# Altium PCB Brake Module PCB.PcbDoc (part 1 of 2)
Units mm, origin at the board's own origin, x right, y up, seen from the top; angles counter-clockwise.
Board outline 88.4 x 110.16 mm, 4 copper layers (Top Layer, Int1 (GND), Int2 (PWR), Bottom Layer), stack 1.369 mm thick; 148 components, 99 nets, 528 pads, 189 vias.
Unrouted connection lines stored in the file: 3.
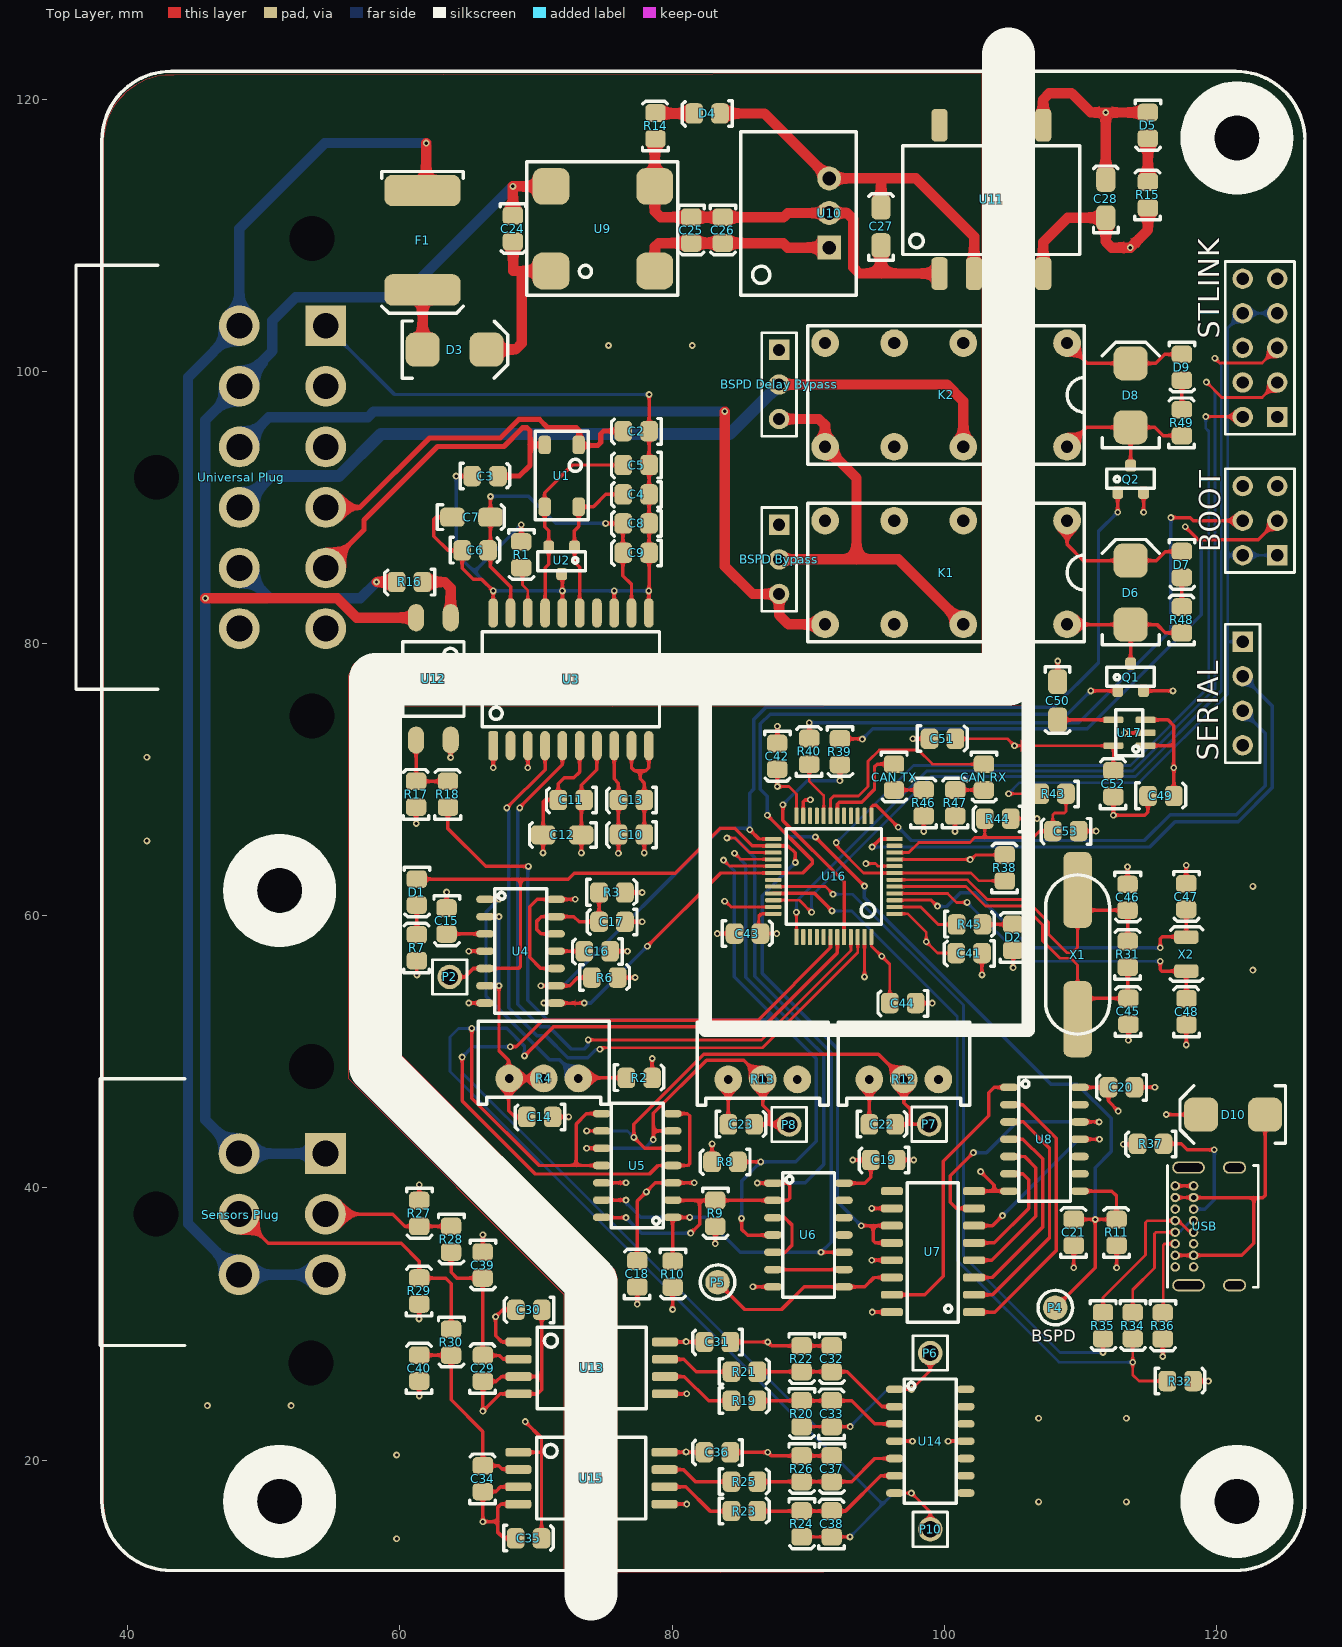
[diagram p0: Top Layer view]
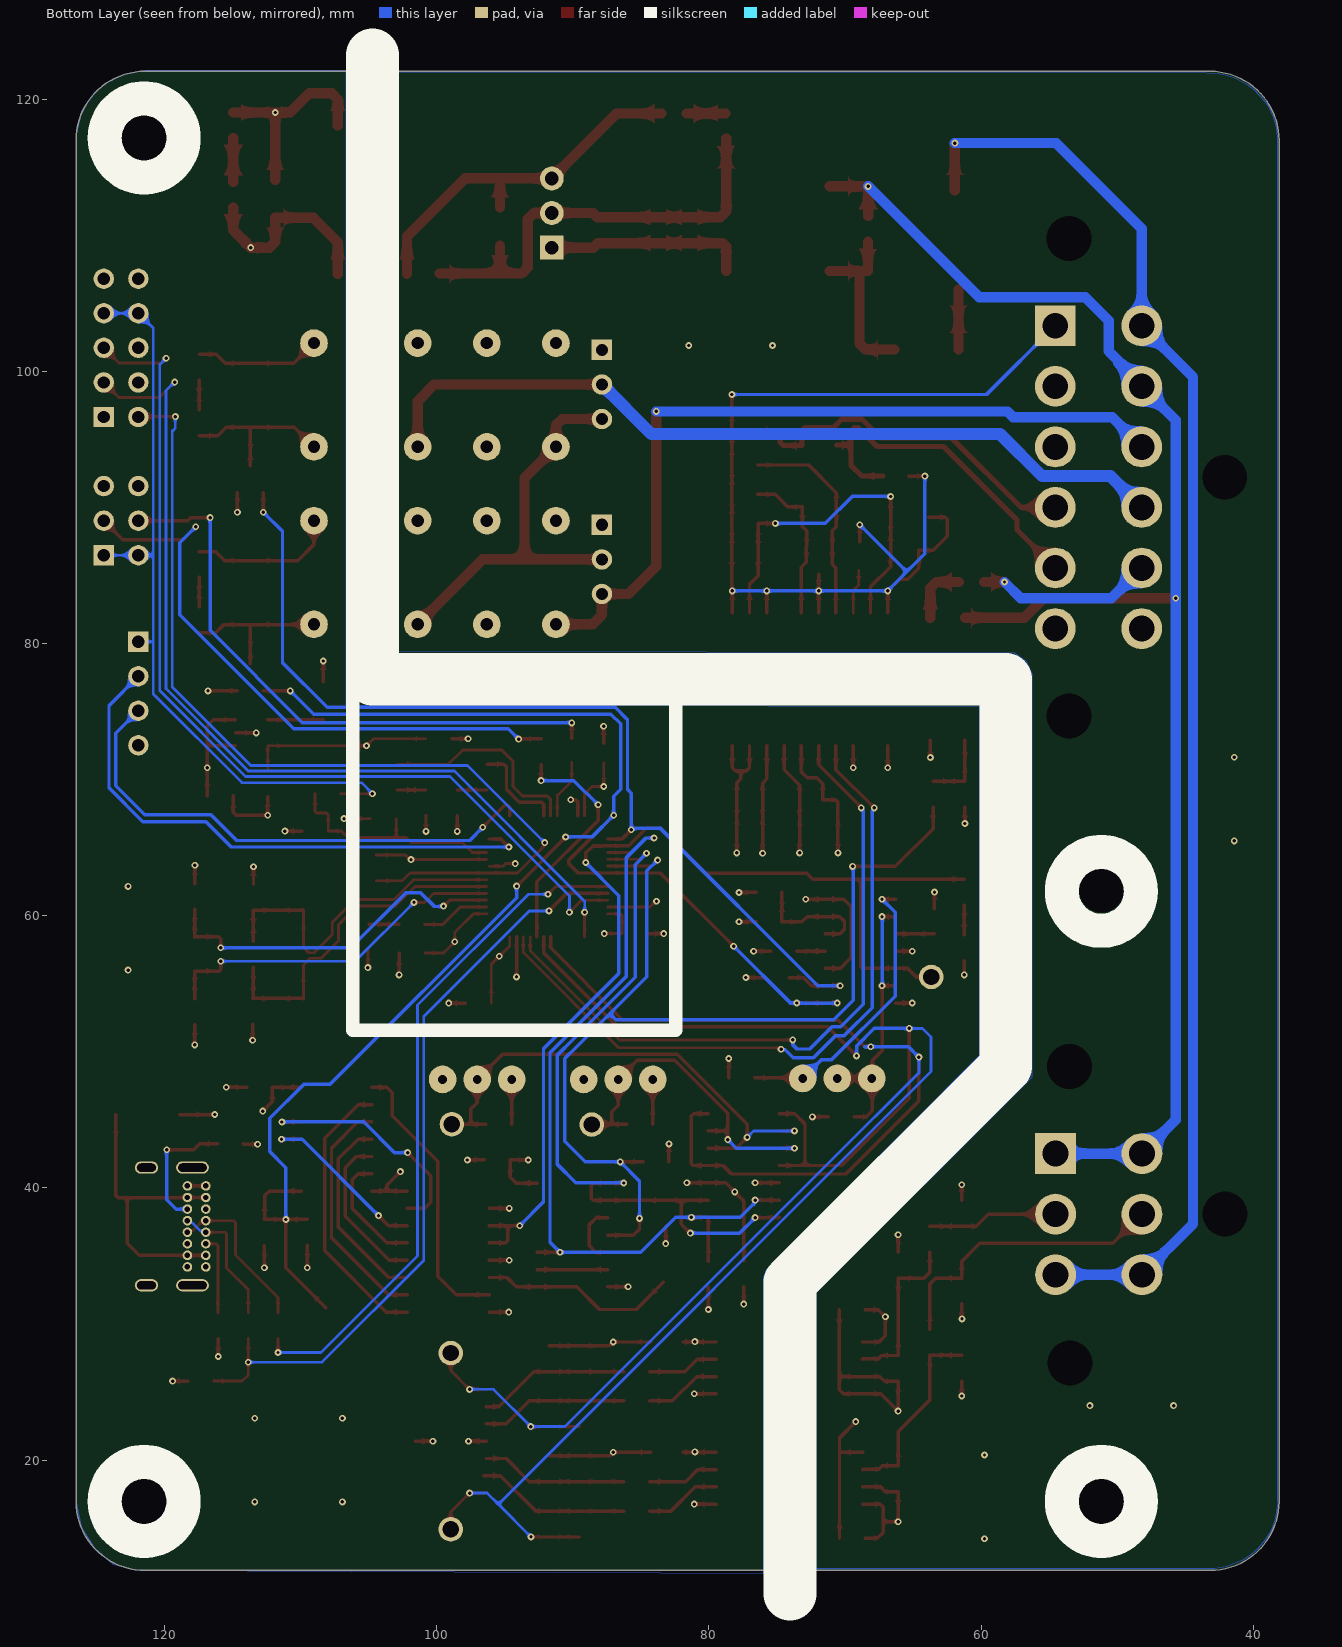
[diagram p1: Bottom Layer view, seen from below]
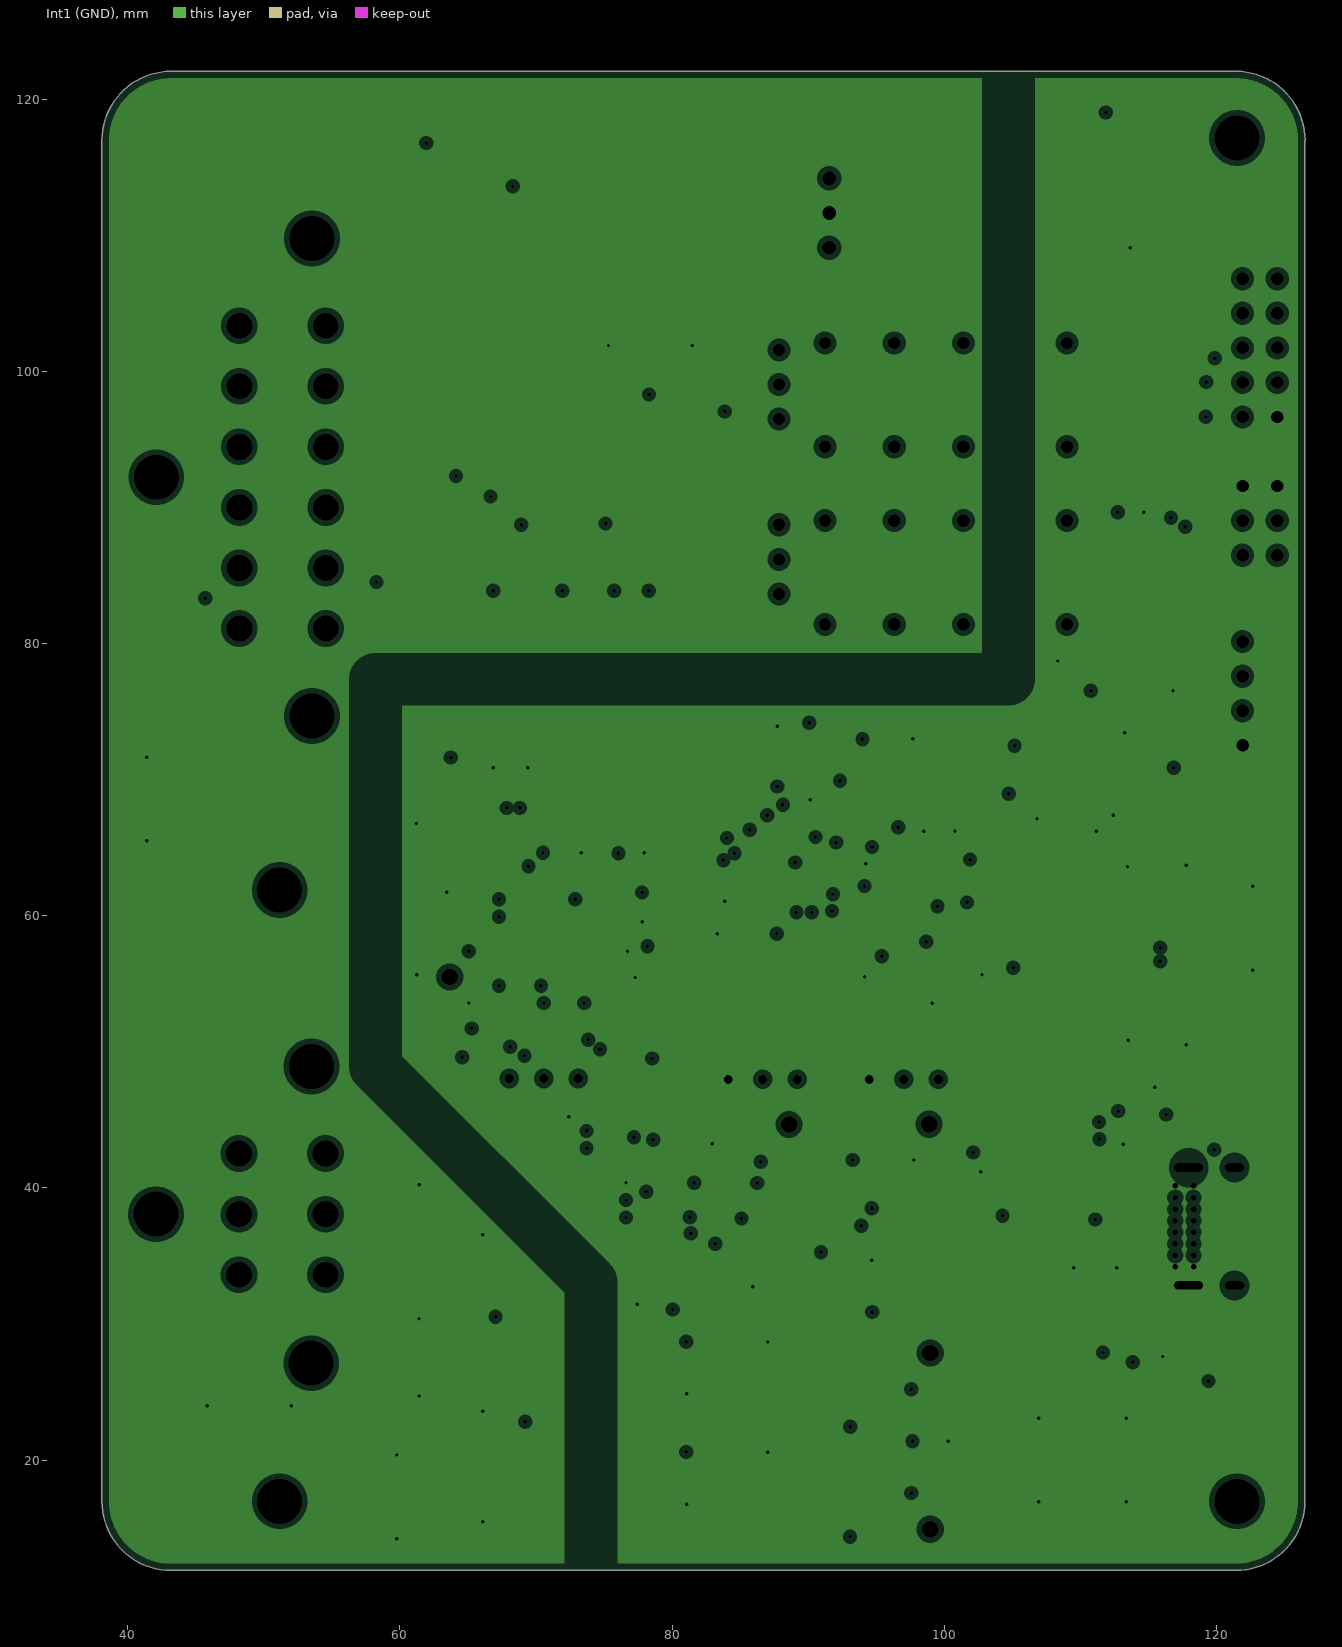
[diagram p2: Int1 (GND), clearances drawn from the general rule]
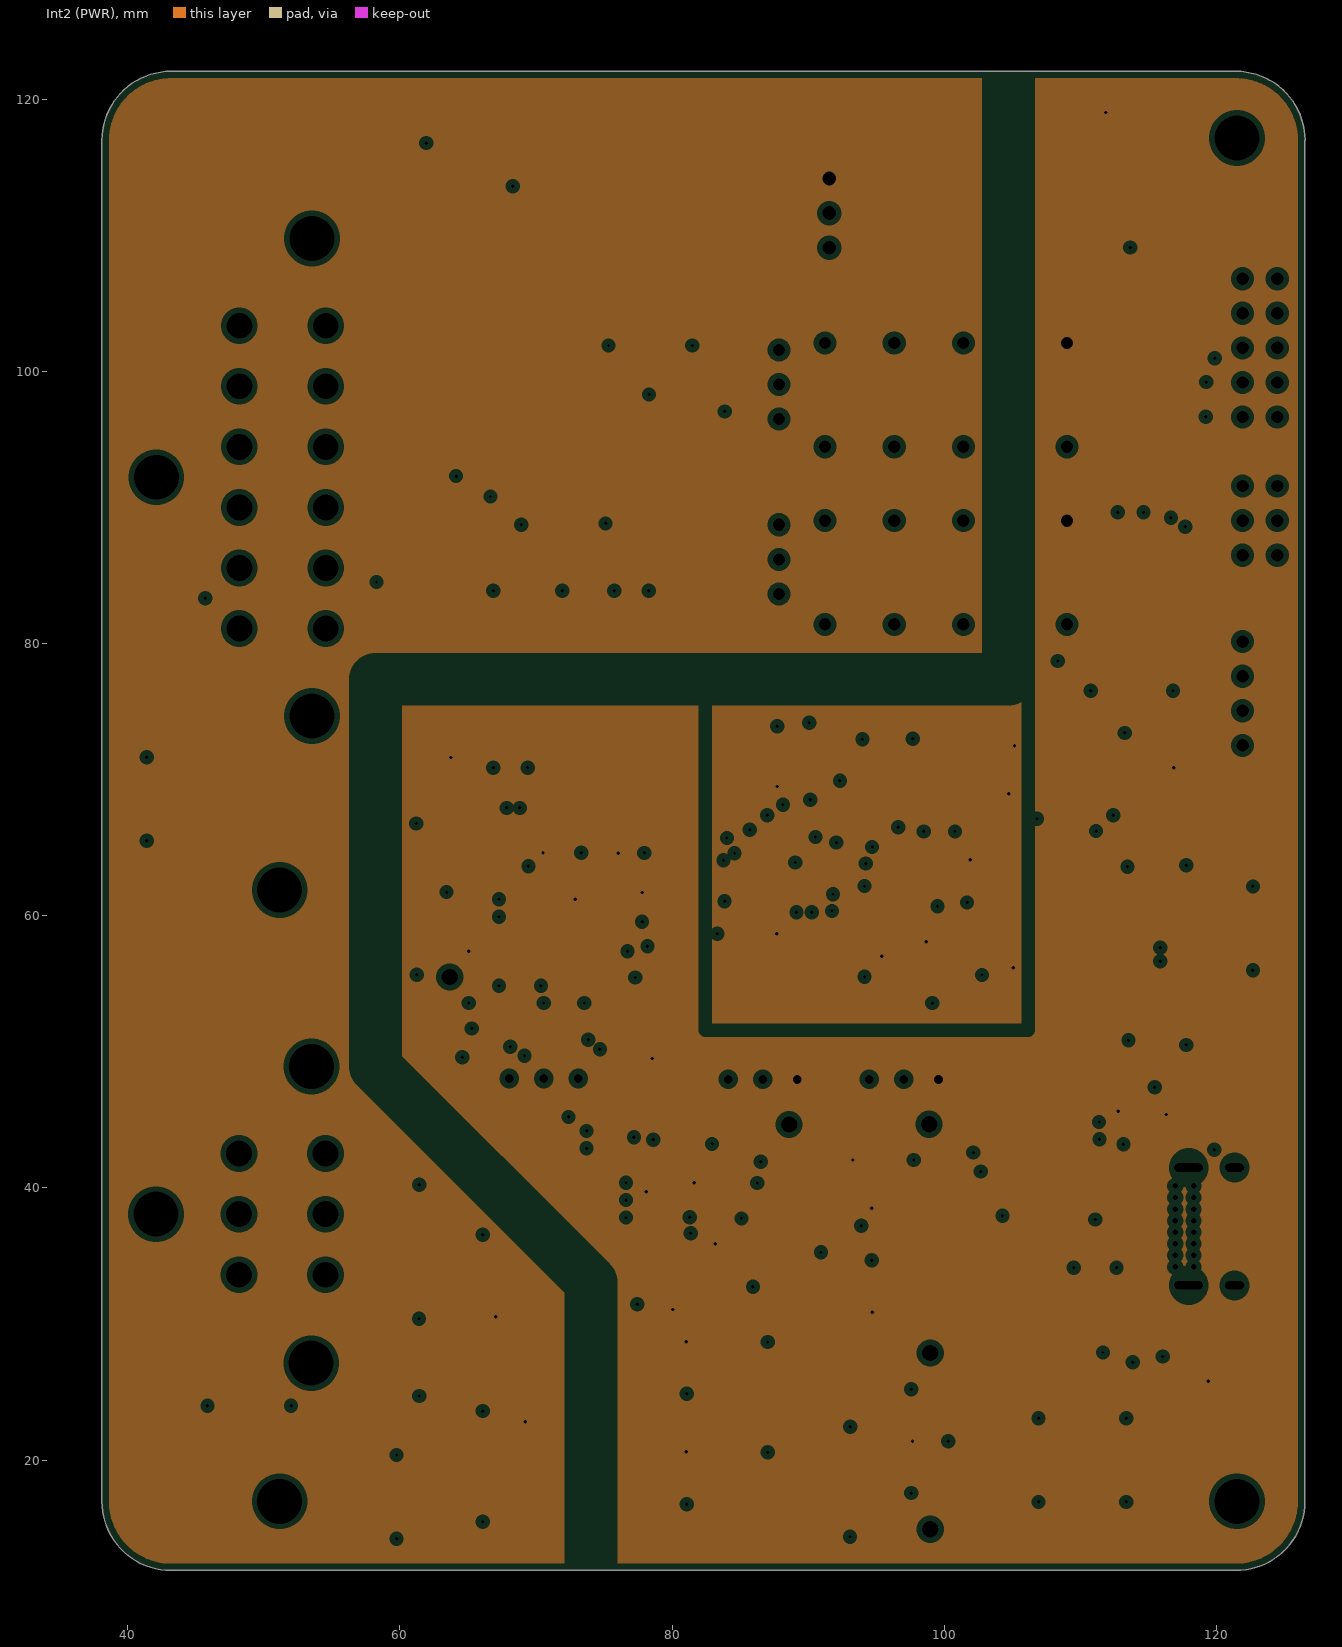
[diagram p3: Int2 (PWR), clearances drawn from the general rule]

## Layer stack, top to bottom
Top Solder: solder mask 0.0254, SM-001, Dk 4
Top Layer: signal copper 0.035
Dielectric 1: prepreg 0.1295, PP-017, Dk 4.3
Dielectric 2: prepreg 0.1295, PP-017, Dk 4.3
Int1 (GND): plane copper 0.035, net (Multiple Nets)
Dielectric 3: core 0.7112, Core-039, Dk 4.8
Int2 (PWR): plane copper 0.035, net (Multiple Nets)
Dielectric 4: prepreg 0.1295, PP-017, Dk 4.3
Dielectric 5: prepreg 0.1295, PP-017, Dk 4.3
Bottom Layer: signal copper 0.035
Bottom Solder: solder mask 0.0254, SM-001, Dk 4

## Board outline
38.1,16.967 ccw(c43.18,16.967) 43.18,11.887 121.412,11.887 ccw(c121.412,16.967) 126.492,16.967 126.492,116.967 126.502,116.967 ccw(c121.422,116.967) 121.422,122.047 121.422,122.05 43.18,122.048 43.18,122.047 ccw(c43.18,116.967) 38.1,116.967

## Design rules (kind name [scope] priority, off if disabled: settings)
Clearance [All] p1: gap=0.254 ignorepadtopadclearanceinfootprint=FALSE except(0: Arc-Hole Track-Hole SMDPad-Hole THPad-Hole Via-Hole Fill-Hole Poly-Hole Region-Hole Text-Hole; 0.1: THPad-THPad; 0.152: Arc-SMDPad Track-SMDPad SMDPad-SMDPad; 0.2: Arc-THPad Track-THPad SMDPad-THPad THPad-Via; 0.203: Arc-Arc Arc-Track Arc-Region Track-Track Track-Region SMDPad-Region THPad-Region Via-Region Fill-Region Poly-Region Region-Region; 0.6: Arc-Poly Track-Poly SMDPad-Poly THPad-Poly Via-Poly Fill-Poly Poly-Poly)
Clearance Clearance_CAN [InNet('CANL') or InNet('CANH')] p2: gap=0.254 ignorepadtopadclearanceinfootprint=FALSE except(0: Arc-Hole Track-Hole SMDPad-Hole THPad-Hole Via-Hole Fill-Hole Poly-Hole Region-Hole Text-Hole; 0.1: THPad-THPad; 0.152: Arc-SMDPad Track-SMDPad SMDPad-SMDPad; 0.2: Arc-THPad Track-THPad SMDPad-THPad THPad-Via; 0.203: Arc-Arc Arc-Track Arc-Region Track-Track Track-Region SMDPad-Region THPad-Region Via-Region Fill-Region Poly-Region Region-Region; 0.6: Arc-Poly Track-Poly SMDPad-Poly THPad-Poly Via-Poly Fill-Poly Poly-Poly) // DiffPair
DiffPairsRouting [All] p1: maxlimit=0.254 minlimit=0.254 mostfreqgap=0.254 toplayer_minwidth=0.381 toplayer_maxwidth=0.381 toplayer_prefwidth=0.381 bottomlayer_minwidth=0.381 bottomlayer_maxwidth=0.381 bottomlayer_prefwidth=0.381 maxuncoupledlength=12.7
Height [All] p1: minheight=0 maxheight=50 prefheight=12.7
HoleSize [All] p1: absolutevalues=TRUE maxlimit=10 minlimit=0.025 maxpercent=80.000 minpercent=20.000
PlaneClearance [All] p1: clearance=0.4
PlaneConnect [All] p1: pad.planeconnectstyle=Relief pad.reliefexpansion=0.508 pad.reliefentries=4 pad.reliefconductorwidth=0.8 pad.reliefairgap=0.254 via.planeconnectstyle=Direct via.reliefexpansion=0.508 via.reliefentries=4 via.reliefconductorwidth=0.8 via.reliefairgap=0.254
PolygonConnect [All] p1: thpad.connectstyle=Relief thpad.reliefconductorwidth=0.6 thpad.reliefentries=4 thpad.polygonreliefangle="90 Angle" thpad.airgapwidth=0.254 smdpad.connectstyle=Relief smdpad.reliefconductorwidth=0.6 smdpad.reliefentries=4 smdpad.polygonreliefangle="90 Angle" smdpad.airgapwidth=0.254 via.connectstyle=Direct via.reliefconductorwidth=0.6 via.reliefentries=4 via.polygonreliefangle="90 Angle" via.airgapwidth=0.254
RoutingVias [All] p1: holewidth=0.711 width=1.27 viastyle="Through Hole" minholewidth=0.203 minwidth=0.254 maxholewidth=0.711 maxwidth=1.27
SolderMaskExpansion [All] p1: expansion=0.051 istentingtop=FALSE
Width [All] p1: maxlimit=3 minlimit=0.127 preferedwidth=0.5
25 further rules are at their usual default settings.

## Classes and differential pairs
component class U_Isolation: C29 C30 C31 C32 C33 C34 C35 C36 C37 C38 R16 R17 R18 R19 R20 R21 R22 R23 R24 R25 R26 U12 U13 U14 U15
component class "Top Level": "Sensors Plug" "U_Sensor Plug" "Universal Plug"
component class U_BSPD: C14 C15 C16 C17 C18 C19 C20 C21 C22 C23 D1 P2 P4 P5 P6 P7 P8 P10 R2 R3 R4 R6 R7 R8 R9 R10 R11 R12 R13 U4 U5 U6 U7 U8
component class U_CAN: C2 C3 C4 C5 C6 C7 C8 C9 C10 C11 C12 C13 R1 U1 U2 U3
component class "U_Input Filter": C39 C40 R27 R28 R29 R30
component class U_Microcontroller: BOOT C41 C42 C43 C44 C45 C46 C47 C48 C49 C50 C51 C52 C53 "CAN RX" "CAN TX" D2 D10 R31 R32 R34 R35 R36 R37 R38 R39 R40 R43 R44 R45 R46 R47 SERIAL STLINK U16 U17 USB X1 X2
component class "U_Power Supply": C24 C25 C26 C27 C28 D3 D4 D5 F1 R14 R15 U9 U10 U11
component class "U_Safety Loops": "BSPD Bypass" "BSPD Delay Bypass" D6 D7 D8 D9 K1 K2 Q1 Q2 R48 R49
differential pair CANBUS: +CANH -CANL

## Components (designator, comment, footprint, x,y, rotation, side; value= is the part's Value field where it differs from the comment)
BOOT "2.54mm" "TH 2.54mm Header 2x3" 124.46,86.488 r90 top
"BSPD Bypass" "2.54mm" "TH 2.54mm Header 1x3" 87.859,88.723 r270 top
"BSPD Delay Bypass" "2.54mm" "TH 2.54mm Header 1x3" 87.859,101.575 r270 top
C2 "100pF" 0805 77.343,95.584 r180 top
C3 "100pF" 0805 66.262,92.329 r0 top
C4 "100pF" 0805 77.343,90.933 r180 top
C5 "100pF" 0805 77.343,93.092 r180 top
C6 "100nF" 0805 65.532,86.868 r0 top
C7 "10nF" 1206 66.45,89.282 r0 top
C8 "10uF" 0805 77.343,88.799 r180 top
C9 "100nF" 0805 77.343,86.639 r180 top
C10 "10uF" 0805 76.989,65.939 r180 top
C11 "100nF" 0805 72.568,68.479 r180 top
C12 "10nF" 1206 70.718,65.939 r180 top
C13 "100nF" 0805 76.989,68.479 r180 top
C14 "10uF" 0805 70.256,45.187 r180 top
C15 "10pF" 0805 63.449,59.601 r270 top
C16 "100pF" 0805 74.48,57.367 r180 top
C17 "10uF" 0805 75.566,59.524 r180 top
C18 "100nF" 0805 77.409,33.695 r90 top
C19 "100nF" 0805 95.535,42.025 r180 top
C20 "100nF" 0805 113.005,47.372 r180 top
C21 "100nF" 0805 109.481,36.743 r90 top
C22 "100nF" 0805 95.447,44.693 r0 top
C23 "100nF" 0805 85.084,44.693 r0 top
C24 "10uF" 0805 68.322,110.475 r270 top
C25 "10uF" 0805 81.425,110.364 r270 top
C26 "10uF" 0805 83.75,110.364 r270 top
C27 "22uF" 1206 95.35,111.85 r90 top
C28 "22uF" 1206 111.862,113.889 r90 top
C29 "100nF" 0805 66.065,26.746 r90 top
C30 "100nF" 0805 69.457,31.013 r180 top
C31 "100nF" 0805 83.312,28.65 r180 top
C32 "100pF" 0805 91.746,27.429 r270 top
C33 "100pF" 0805 91.693,23.42 r90 top
C34 "100nF" 0805 66.065,18.644 r90 top
C35 "100nF" 0805 69.462,14.275 r0 top
C36 "100nF" 0805 83.312,20.549 r180 top
C37 "100pF" 0805 91.746,19.352 r270 top
C38 "100pF" 0805 91.693,15.317 r90 top
C39 "100nF" 0805 66.102,34.314 r270 top
C40 "100nF" 0805 61.392,26.766 r90 top
C41 "1uF" 0805 101.803,57.226 r180 top
C42 "100nF" 0805 87.741,71.697 r270 top
C43 "100nF" 0805 85.547,58.71 r0 top
C44 "100nF" 0805 96.928,53.555 r180 top
C45 "22pF" 0805 113.498,52.982 r90 top
C46 "22pF" 0805 113.488,61.344 r270 top
C47 "22pF" 0805 117.806,61.397 r270 top
C48 "22pF" 0805 117.769,52.966 r90 top
C49 "1uF" 0805 115.925,68.825 r0 top
C50 "22uF" 1206 108.33,74.592 r270 top
C51 "100nF" 0805 99.873,73.026 r0 top
C52 "1uF" 0805 112.394,69.723 r90 top
C53 "100nF" 0805 108.908,66.192 r180 top
"CAN RX" "Blue" "0805 LED" 102.932,70.176 r270 top
"CAN TX" "Blue" "0805 LED" 96.328,70.176 r270 top
D1 "Yellow" "0805 LED" 61.266,61.722 r270 top
D2 "Red" "0805 LED" 105.029,58.42 r90 top
D3 "SD560BTR" "SMB Diode" 61.91,101.601 r0 top
D4 "Red" "0805 LED" 82.55,118.925 r180 top
D5 "Red" "0805 LED" 114.981,118.06 r270 top
D6 "SD560BTR" "SMB Diode" 113.69,81.645 r90 top
D7 "Green" "0805 LED" 117.481,85.795 r270 top
D8 "SD560BTR" "SMB Diode" 113.69,96.14 r90 top
D9 "Green" "0805 LED" 117.481,100.29 r270 top
D10 "SD560BTR" "SMB Diode" 123.317,45.39 r180 top
F1 "0ZCF0100AF2A" 2920 61.66,113.285 r270 top
K1 "V23105A5475A201" "TI 2-DIL" 100.127,85.218 r180 top
K2 "V23105A5475A201" "TI 2-DIL" 100.127,98.265 r180 top
P2 "0mm" "TH Test Point" 63.652,55.499 r0 top
P4 "0mm" "SMD Test Point" 108.15,31.2 r90 top
P5 "0mm" "SMD Test Point" 83.337,33.071 r90 top
P6 "0mm" "TH Test Point" 98.968,27.864 r0 top
P7 "0mm" "TH Test Point" 98.882,44.679 r270 top
P8 "0mm" "TH Test Point" 88.595,44.654 r270 top
P10 "0mm" "TH Test Point" 98.968,14.91 r0 top
Q1 "2N7002K" "ON SOT-23 MOSFET" 113.69,77.521 r0 top
Q2 "2N7002K" "ON SOT-23 MOSFET" 113.69,92.076 r0 top
R1 "0R" 0805 68.935,86.515 r270 top
R2 "10k" 0805 77.597,48.108 r0 top
R3 "1M" 0805 75.59,61.734 r0 top
R4 "10K (Var)" "B 3296" 70.65,48.6 r0 top
R6 "20k" 0805 75.064,55.483 r0 top
R7 "1.5k" 0805 61.214,57.658 r90 top
R8 "20k" 0805 83.871,41.884 r180 top
R9 "3.3k" 0805 83.192,38.117 r270 top
R10 "3.3k" 0805 80.062,33.646 r270 top
R11 "10k" 0805 112.63,36.743 r90 top
R12 "10K (Var)" "B 3296" 97.111,48.528 r0 top
R13 "10K (Var)" "B 3296" 86.748,48.528 r0 top
R14 "680R" 0805 78.75,118.05 r90 top
R15 "680R" 0805 114.929,112.98 r90 top
R16 "680R" 0805 60.689,84.495 r180 top
R17 "10k" 0805 61.157,68.943 r90 top
R18 "100R" 0805 63.5,68.936 r90 top
R19 "10k" 0805 85.319,24.384 r0 top
R20 "10k" 0805 89.535,23.397 r270 top
R21 "10k" 0805 85.319,26.518 r0 top
R22 "10k" 0805 89.535,27.429 r270 top
R23 "10k" 0805 85.319,16.281 r0 top
R24 "10k" 0805 89.535,15.293 r270 top
R25 "10k" 0805 85.319,18.44 r0 top
R26 "10k" 0805 89.535,19.352 r270 top
R27 "200R" 0805 61.443,38.114 r270 top
R28 "1k" 0805 63.779,36.214 r270 top
R29 "200R" 0805 61.392,32.436 r90 top
R30 "1k" 0805 63.779,28.642 r270 top
R31 "10M" 0805 113.447,57.173 r90 top
R32 "1.5k" 0805 117.348,25.832 r0 top
R34 "20R" 0805 113.868,29.871 r270 top
R35 "20R" 0805 111.684,29.871 r270 top
R36 "5.1k" 0805 116.077,29.842 r270 top
R37 "5.1k" 0805 115.138,43.206 r180 top